# Allegro board SG2042_EVB_V1_1.brd (continued)
## Routing (per net, layer and track width the routed paths; a pad name or vN(x,y) marks a point on that pad's centre or on a via; arc(x,y) is an arc through that point) (continued)
  TOP w0.16: U1.AU55 v1(164.97,97.15)
  BOTTOM w0.089: v1(164.97,97.15) 165.35,97.52 167.07,97.52 167.13,97.59 171.17,97.59 176.22,102.63 176.22,113.55 186.56,123.89 186.56,124.21
  BOTTOM w0.16: 186.56,124.21 186.77,124.42 186.77,127.06 187.34,127.63 187.34,127.86 186.88,128.31 186.88,128.54 187.17,128.82 187.39,128.82 187.85,128.37 188.08,128.37 188.36,128.65 188.36,128.87 187.9,129.33 187.9,129.56 188.19,129.84 188.41,129.84 188.87,129.38 189.1,129.38 189.38,129.67 189.38,129.89 188.92,130.35 188.92,130.58 189.2,130.86 189.43,130.86 189.89,130.4 190.12,130.4 190.57,130.86 194.48,130.86 194.68,131.06 194.97,131.06 arc(195.23,131.01) 195.45,130.86 195.86,130.45 arc(196.12,130.27) 196.43,130.21 197.3,130.21 arc(197.6,130.27) 197.86,130.45 198.29,130.87 arc(198.5,131.01) 198.75,131.06 198.78,131.06 arc(199.03,131.01) 199.24,130.87 199.66,130.45 arc(199.92,130.27) 200.23,130.21 201.99,130.21 arc(202.25,130.26) 202.47,130.41 202.49,130.43 arc(202.71,130.58) 202.97,130.63 203.73,130.63 arc(204.07,130.56) J1.47
DDR0_ECC_DQ5: length 71.7
  TOP w0.16: U1.AU54 v1(163.97,97.15)
  BOTTOM w0.114: 186.05,124.72 186.05,123.9 175.85,113.7 175.85,102.79 171.02,97.95 167.09,97.95 166.89,97.75 164.58,97.75 v1(163.97,97.15)
  BOTTOM w0.16: 186.05,124.72 186.05,128.75 188.88,131.58 194.48,131.58 194.68,131.38 195.1,131.38 arc(195.4,131.32) 195.66,131.15 196.09,130.72 arc(196.3,130.58) 196.55,130.53 196.58,130.53 arc(196.83,130.58) 197.04,130.72 197.46,131.15 arc(197.72,131.32) 198.03,131.38 198.9,131.38 arc(199.2,131.32) 199.46,131.15 199.88,130.73 arc(200.1,130.58) 200.36,130.53 201.57,130.53 arc(201.87,130.59) 202.13,130.77 202.36,130.99 arc(202.61,131.16) 202.92,131.22 204.4,131.22 arc(204.71,131.16) 204.97,130.99 205.35,130.61 arc(205.61,130.43) 205.92,130.37 206.3,130.37 arc(206.61,130.31) 206.87,130.14 207.25,129.76 arc(207.51,129.58) 207.82,129.52 J1.192
DDR0_ECC_DQ6: length 66.2
  TOP w0.16: U1.AY56 v1(165.97,94.15)
  BOTTOM w0.114: 181.71,112.93 181.71,112.16 179.67,110.13 179.67,100.9 172.69,93.92 167.06,93.92 166.84,94.15 v1(165.97,94.15)
  BOTTOM w0.16: 181.71,112.93 182.71,113.93 182.94,113.93 183.3,113.57 183.52,113.57 183.81,113.85 183.81,114.08 183.44,114.44 183.44,114.67 183.73,114.95 183.95,114.95 184.35,114.55 184.58,114.55 184.86,114.84 184.86,115.06 184.46,115.46 184.46,115.69 184.75,115.97 184.97,115.97 185.37,115.57 185.6,115.57 185.88,115.85 185.88,116.08 185.48,116.48 185.48,116.71 185.76,116.99 185.99,116.99 186.39,116.59 186.62,116.59 186.9,116.87 186.9,117.1 186.5,117.5 186.5,117.72 193.56,124.78 194.48,124.78 194.68,124.58 195.1,124.58 arc(195.4,124.52) 195.66,124.35 196.09,123.92 arc(196.3,123.78) 196.55,123.73 196.58,123.73 arc(196.83,123.78) 197.04,123.92 197.46,124.35 arc(197.72,124.52) 198.03,124.58 198.9,124.58 arc(199.2,124.52) 199.46,124.35 199.88,123.93 arc(200.1,123.78) 200.36,123.73 201.2,123.73 arc(201.51,123.79) 201.76,123.97 202.15,124.35 arc(202.41,124.52) 202.71,124.58 205.57,124.58 arc(205.78,124.54) J1.54
DDR0_ECC_DQ7: length 68.4
  TOP w0.16: U1.BA53 v1(162.97,93.15)
  BOTTOM w0.089: 182.22,112.42 182.22,112.15 180.04,109.98 180.04,100.75 172.85,93.55 167.02,93.55 166.81,93.77 163.6,93.77 v1(162.97,93.15)
  BOTTOM w0.16: J1.199 205.92,123.57 arc(205.61,123.63) 205.35,123.81 205.13,124.03 arc(204.87,124.2) 204.56,124.26 203.52,124.26 arc(203.22,124.2) 202.96,124.03 202.58,123.65 arc(202.32,123.47) 202.01,123.41 200.23,123.41 arc(199.92,123.47) 199.66,123.65 199.24,124.07 arc(199.03,124.21) 198.78,124.26 198.75,124.26 arc(198.5,124.21) 198.29,124.07 197.86,123.65 arc(197.6,123.47) 197.3,123.41 196.43,123.41 arc(196.12,123.47) 195.86,123.65 195.44,124.07 arc(195.23,124.21) 194.98,124.26 194.68,124.26 194.48,124.06 193.86,124.06 188.56,118.77 188.56,118.54 188.96,118.14 188.96,117.92 188.68,117.63 188.45,117.63 188.05,118.03 187.83,118.03 187.54,117.75 187.54,117.52 187.94,117.12 187.94,116.9 183.89,112.84 182.64,112.84 182.22,112.42
DDR0_ECC_DQS_N: length 66.6
  TOP w0.14: U1.AW56 v1(165.97,95.15)
  BOTTOM w0.109: 168.39,95.01 168.37,95.01 168.31,94.95 166.86,94.95 166.66,94.75 165.51,94.75 165.4,94.86 165.4,95.03 165.51,95.15 v1(165.97,95.15)
  BOTTOM w0.14: 168.39,95.01 172.24,95.01 178.66,101.42 178.66,111.58 193.36,126.29 194.99,126.29 arc(195.38,126.21) 195.72,125.99 196.06,125.64 arc(196.29,125.49) 196.55,125.44 196.88,125.44 arc(197.15,125.49) 197.37,125.64 197.72,125.99 arc(198.05,126.21) 198.45,126.29 198.78,126.29 arc(199.17,126.21) 199.51,125.99 199.85,125.64 arc(200.08,125.49) 200.35,125.44 201.58,125.44 arc(201.85,125.49) 202.07,125.64 202.42,125.99 arc(202.75,126.21) 203.14,126.29 204.39,126.29 arc(204.78,126.21) 205.12,125.99 205.46,125.64 arc(205.69,125.49) 205.95,125.44 206.28,125.44 arc(206.55,125.49) 206.77,125.64 207.12,125.99 arc(207.45,126.21) 207.84,126.29 208.57,126.29 arc(208.57,126.29) 208.57,126.29 arc(208.57,126.29) 208.57,126.29 208.77,126.29 arc(208.83,126.28) 208.89,126.28 J1.196
DDR0_ECC_DQS_P: length 66.5
  TOP w0.14: U1.AW55 v1(164.97,95.15)
  BOTTOM w0.109: v1(164.97,95.15) 165.19,94.93 165.19,94.77 165.42,94.54 166.75,94.54 166.94,94.74 168.31,94.74 168.37,94.68 168.39,94.68
  BOTTOM w0.14: J1.197 208.72,125.57 arc(208.81,125.68) 208.8,125.81 208.8,125.82 arc(208.71,125.92) 208.57,125.96 207.84,125.96 arc(207.58,125.9) 207.35,125.75 207.01,125.41 arc(206.67,125.18) 206.28,125.11 205.95,125.11 arc(205.56,125.18) 205.23,125.41 204.88,125.75 arc(204.66,125.9) 204.39,125.96 203.14,125.96 arc(202.88,125.9) 202.65,125.75 202.31,125.41 arc(201.97,125.18) 201.58,125.11 200.35,125.11 arc(199.95,125.18) 199.62,125.41 199.27,125.75 arc(199.05,125.9) 198.78,125.96 198.45,125.96 arc(198.18,125.9) 197.95,125.75 197.61,125.41 arc(197.27,125.18) 196.88,125.11 196.55,125.11 arc(196.16,125.18) 195.83,125.41 195.48,125.75 arc(195.25,125.9) 194.99,125.96 193.5,125.96 178.99,111.44 178.99,101.29 172.38,94.68 168.39,94.68
DDR0_EVENT_N: length 357
  TOP w0.102: J1.78 206.47,99.43 208.66,99.43 208.87,99.64 211.28,99.64 R1.1 211.58,98.76 v1(211.56,98.73) ; R2386.2 v1(26.72,156.51)
  ART10 w0.102: v1(26.72,156.51) 26.9,156.69 26.9,173.21 40.56,186.87 40.56,209.09 v1(40.74,209.27) ; v1(211.56,98.73) 211.96,99.14 211.96,161.7 211.12,162.53 211.12,169.75 214.63,173.25 214.63,198.93 211.1,202.46 211.1,213.84 v1(210.69,214.25)
  BOTTOM w0.102: v1(40.74,209.27) 41.3,209.27 41.45,209.42 52.44,209.42 53.99,210.97 207.42,210.97 v1(210.69,214.25)
DDR0_EVENT_N_L: length 10.5
  TOP w0.102: U2010.1 v1(16.75,156.52) ; R597.2 v1(10.69,153.85)
  ART03 w0.102: v1(16.75,156.52) 17.14,156.12 17.14,154.91 16.08,153.85 v1(10.69,153.85)
DDR0_MA0: length 54.1
  TOP w0.16: U1.BD52 v1(161.97,90.15)
  ART03 w0.089: v1(161.97,90.15) 162.38,89.74 166.22,89.74 168.42,87.54 168.98,87.54
  ART03 w0.168: 168.98,87.54 180.58,87.54 189.81,96.77 190.46,96.77 190.63,96.94 190.63,97.39 190.8,97.56 191.22,97.56 191.38,97.39 191.38,96.94 191.55,96.77 191.97,96.77 192.14,96.94 192.14,97.85 192.3,98.02 192.72,98.02 192.89,97.85 192.89,96.94 193.06,96.77 193.48,96.77 193.65,96.94 193.65,98.75 193.81,98.92 194.99,98.92 arc(195.31,98.86) 195.58,98.68 195.94,98.32 arc(196.21,98.14) 196.54,98.07 196.89,98.07 arc(197.21,98.01) 197.48,97.83 197.84,97.47 arc(198.11,97.29) 198.44,97.22 198.79,97.22 arc(199.11,97.29) 199.38,97.47 199.74,97.83 arc(200.01,98.01) 200.33,98.07 J1.79
DDR0_MA1: length 55.5
  TOP w0.16: U1.BC51 v1(160.97,91.15)
  ART03 w0.089: v1(160.97,91.15) 161.47,91.65 161.47,92.36 161.66,92.55 167.07,92.55 168.92,90.7 168.98,90.7
  ART03 w0.168: J1.72 203.62,109.12 arc(203.3,109.06) 203.03,108.88 200.97,106.82 arc(200.7,106.64) 200.38,106.57 200.34,106.57 arc(200.01,106.51) 199.74,106.33 199.38,105.97 arc(199.11,105.79) 198.79,105.72 198.43,105.72 arc(198.11,105.66) 197.84,105.48 197.48,105.12 arc(197.21,104.94) 196.89,104.87 196.54,104.87 arc(196.21,104.94) 195.94,105.12 195.58,105.48 arc(195.31,105.66) 194.99,105.72 194.29,105.72 184.55,95.98 183.2,95.98 177.92,90.7 168.98,90.7
DDR0_MA2: length 61.5
  TOP w0.16: U1.BE52 v1(161.97,89.15)
  BOTTOM w0.089: 177.85,89.88 177.73,89.76 166.91,89.76 166.15,90.52 161.74,90.52 161.47,90.25 U1.BE52 v1(161.97,89.15)
  BOTTOM w0.16: J1.216 207.82,109.12 arc(207.51,109.06) 207.25,108.89 206.87,108.51 arc(206.61,108.33) 206.3,108.27 205.92,108.27 arc(205.61,108.33) 205.35,108.51 205,108.86 arc(204.74,109.03) 204.43,109.09 203.09,109.09 arc(202.78,109.03) 202.52,108.86 202.17,108.51 arc(201.91,108.33) 201.61,108.27 200.32,108.27 arc(200.01,108.21) 199.75,108.04 199.37,107.66 arc(199.11,107.48) 198.81,107.42 198.42,107.42 arc(198.11,107.48) 197.85,107.66 197.47,108.04 arc(197.21,108.21) 196.91,108.27 196.52,108.27 arc(196.21,108.21) 195.95,108.04 195.57,107.66 arc(195.31,107.48) 195.01,107.42 194.43,107.42 192.78,105.77 192.78,102.7 187.95,97.87 185.85,97.87 177.85,89.88
DDR0_MA3: length 55.6
  TOP w0.16: U1.BD51 v1(160.97,90.15)
  BOTTOM w0.089: 177.3,90.23 177.18,90.11 166.99,90.11 166.33,90.77 161.6,90.77 v1(160.97,90.15)
  BOTTOM w0.16: 177.3,90.23 185.58,98.51 187.69,98.51 192.14,102.97 192.14,106.83 194.43,109.12 195.01,109.12 arc(195.31,109.18) 195.57,109.36 195.95,109.74 arc(196.21,109.91) 196.52,109.97 196.91,109.97 arc(197.21,109.91) 197.47,109.74 197.85,109.36 arc(198.11,109.18) 198.42,109.12 198.81,109.12 arc(199.11,109.18) 199.37,109.36 199.75,109.74 arc(200.01,109.91) 200.32,109.97 J1.71
DDR0_MA4: length 59.9
  TOP w0.16: U1.BA51 v1(160.97,93.15)
  ART03 w0.089: 168.98,91.2 168.69,91.2 167.14,92.74 161.38,92.74 v1(160.97,93.15)
  ART03 w0.168: 168.98,91.2 177.71,91.2 182.99,96.48 184.34,96.48 191.2,103.34 191.2,104.24 194.38,107.42 195.03,107.42 arc(195.35,107.36) 195.62,107.18 195.98,106.82 arc(196.25,106.64) 196.57,106.57 196.89,106.57 arc(197.21,106.64) 197.48,106.82 197.84,107.18 arc(198.11,107.36) 198.43,107.42 198.79,107.42 arc(199.11,107.49) 199.38,107.67 199.74,108.03 arc(200.01,108.21) 200.33,108.27 201.09,108.27 arc(201.41,108.34) 201.68,108.52 203.74,110.58 arc(204.01,110.76) 204.33,110.82 204.39,110.82 arc(204.71,110.76) 204.98,110.58 205.34,110.22 arc(205.61,110.04) 205.93,109.97 206.29,109.97 arc(206.61,110.04) 206.88,110.22 207.24,110.58 arc(207.51,110.76) 207.83,110.82 J1.214
DDR0_MA5: length 60.2
  TOP w0.16: U1.AY50 v1(159.97,94.15)
  ART03 w0.089: v1(159.97,94.15) 160.57,93.55 167.04,93.55 168.89,91.7 168.98,91.7
  ART03 w0.168: J1.213 205.93,111.67 arc(205.61,111.74) 205.34,111.92 205.14,112.12 arc(204.87,112.3) 204.54,112.37 203.84,112.37 arc(203.52,112.3) 203.25,112.12 201.35,110.22 arc(201.08,110.04) 200.76,109.97 200.33,109.97 arc(200.01,109.91) 199.74,109.73 199.38,109.37 arc(199.11,109.19) 198.79,109.12 198.43,109.12 arc(198.11,109.06) 197.84,108.88 197.48,108.52 arc(197.21,108.34) 196.89,108.27 196.53,108.27 arc(196.21,108.34) 195.94,108.52 195.58,108.88 arc(195.31,109.06) 194.99,109.12 194.38,109.12 190.69,105.44 190.69,103.59 184.08,96.98 182.79,96.98 177.51,91.7 168.98,91.7
DDR0_MA6: length 52.9
  TOP w0.16: v1(166.97,91.15) 166.47,91.65 U1.BC56
  BOTTOM w0.089: v1(166.97,91.15) 167.3,90.82 176.09,90.82 176.2,90.94
  BOTTOM w0.16: 176.2,90.94 185.05,99.79 187.16,99.79 190.86,103.5 190.86,108.95 194.43,112.52 195.01,112.52 arc(195.31,112.58) 195.57,112.76 195.95,113.14 arc(196.21,113.31) 196.52,113.37 196.91,113.37 arc(197.21,113.31) 197.47,113.14 197.85,112.76 arc(198.11,112.58) 198.42,112.52 198.81,112.52 arc(199.11,112.58) 199.37,112.76 199.75,113.14 arc(200.01,113.31) 200.32,113.37 201.61,113.37 arc(201.91,113.31) 202.17,113.14 203.4,111.91 arc(203.66,111.73) 203.97,111.67 J1.69
DDR0_MA7: length 59.5
  TOP w0.16: U1.AY51 v1(160.97,94.15)
  ART03 w0.089: 168.98,92.21 168.65,92.21 167.12,93.74 161.38,93.74 v1(160.97,94.15)
  ART03 w0.168: J1.211 205.93,113.37 arc(205.61,113.31) 205.34,113.13 205.14,112.92 arc(204.87,112.74) 204.55,112.68 203.13,112.68 arc(202.81,112.61) 202.54,112.43 202.03,111.92 arc(201.75,111.74) 201.43,111.67 200.33,111.67 arc(200.01,111.61) 199.74,111.43 199.38,111.07 arc(199.11,110.89) 198.79,110.82 198.43,110.82 arc(198.11,110.76) 197.84,110.58 197.48,110.22 arc(197.21,110.04) 196.89,109.97 196.54,109.97 arc(196.21,110.04) 195.94,110.22 195.58,110.58 arc(195.31,110.76) 194.99,110.82 194.38,110.82 190.19,106.63 190.19,103.8 183.87,97.49 182.58,97.49 177.3,92.21 168.98,92.21
DDR0_MA8: length 60.5
  TOP w0.16: U1.BC50 v1(159.97,91.15)
  BOTTOM w0.089: 176.75,90.59 176.64,90.47 167.04,90.47 166.37,91.14 165.56,91.14 165.17,91.52 160.35,91.52 v1(159.97,91.15)
  BOTTOM w0.16: 176.75,90.59 185.32,99.15 187.42,99.15 191.5,103.23 191.5,107.89 194.43,110.82 195.01,110.82 arc(195.31,110.88) 195.57,111.06 195.95,111.44 arc(196.21,111.61) 196.52,111.67 196.91,111.67 arc(197.21,111.61) 197.47,111.44 197.85,111.06 arc(198.11,110.88) 198.42,110.82 198.81,110.82 arc(199.11,110.88) 199.37,111.06 199.75,111.44 arc(200.01,111.61) 200.32,111.67 202.53,111.67 arc(202.83,111.61) 203.09,111.44 203.47,111.06 arc(203.73,110.88) 204.04,110.82 204.4,110.82 arc(204.71,110.88) 204.97,111.06 205.68,111.77 arc(205.89,112.08) 205.96,112.44 J1.68
DDR0_MA9: length 59.2
  TOP w0.16: U1.AW50 v1(159.97,95.15)
  ART03 w0.089: 168.98,92.71 168.86,92.71 167.01,94.55 160.57,94.55 v1(159.97,95.15)
  ART03 w0.168: 168.98,92.71 177.09,92.71 182.37,97.99 183.67,97.99 189.69,104.01 189.69,107.83 194.38,112.52 194.99,112.52 arc(195.31,112.46) 195.58,112.28 195.94,111.92 arc(196.21,111.74) 196.53,111.67 196.89,111.67 arc(197.21,111.74) 197.48,111.92 197.84,112.28 arc(198.11,112.46) 198.43,112.52 198.79,112.52 arc(199.11,112.59) 199.38,112.77 199.74,113.13 arc(200.01,113.31) 200.33,113.37 201.59,113.37 arc(201.91,113.44) 202.18,113.62 202.38,113.82 arc(202.66,114) 202.98,114.07 205.58,114.07 arc(205.79,114.11) J1.66
DDR0_MA10: length 55
  TOP w0.16: U1.BE50 v1(159.97,89.15)
  ART03 w0.089: v1(159.97,89.15) 160.38,89.55 166.14,89.55 168.65,87.04 168.98,87.04
  ART03 w0.168: 168.98,87.04 180.79,87.04 189.27,95.52 194.99,95.52 arc(195.31,95.59) 195.58,95.77 195.94,96.13 arc(196.21,96.31) 196.53,96.37 196.89,96.37 arc(197.21,96.31) 197.48,96.13 197.84,95.77 arc(198.11,95.59) 198.43,95.52 198.78,95.52 arc(199.1,95.59) 199.37,95.77 199.75,96.15 arc(200.03,96.33) 200.35,96.39 201.57,96.39 arc(201.89,96.33) 202.16,96.15 202.56,95.75 arc(202.83,95.57) 203.15,95.5 204.37,95.5 arc(204.69,95.57) 204.96,95.75 205.34,96.13 arc(205.61,96.31) 205.93,96.37 J1.225
DDR0_MA11: length 62.4
  TOP w0.16: U1.AW52 v1(161.97,95.15)
  ART03 w0.089: 168.98,93.21 168.62,93.21 167.09,94.74 162.38,94.74 v1(161.97,95.15)
  ART03 w0.168: J1.210 207.83,114.22 arc(207.51,114.29) 207.24,114.47 206.88,114.83 arc(206.61,115.01) 206.29,115.07 205.93,115.07 arc(205.61,115.01) 205.34,114.83 205.14,114.62 arc(204.87,114.44) 204.55,114.38 202.98,114.38 arc(202.66,114.44) 202.38,114.62 202.18,114.83 arc(201.91,115.01) 201.59,115.07 200.33,115.07 arc(200.01,115.01) 199.74,114.83 199.38,114.47 arc(199.11,114.29) 198.79,114.22 198.43,114.22 arc(198.11,114.16) 197.84,113.98 197.48,113.62 arc(197.21,113.44) 196.89,113.37 196.54,113.37 arc(196.21,113.44) 195.94,113.62 195.58,113.98 arc(195.31,114.16) 194.99,114.22 194.38,114.22 189.18,109.03 189.18,104.22 183.46,98.49 182.16,98.49 176.88,93.21 168.98,93.21
DDR0_MA12: length 59.6
  TOP w0.16: U1.BB50 v1(159.97,92.15)
  BOTTOM w0.089: 175.65,91.3 175.54,91.18 167.49,91.18 167.13,91.55 165.58,91.55 165.35,91.77 160.35,91.77 v1(159.97,92.15)
  BOTTOM w0.16: J1.65 200.32,115.07 arc(200.01,115.01) 199.75,114.84 199.37,114.46 arc(199.11,114.28) 198.81,114.22 198.42,114.22 arc(198.11,114.28) 197.85,114.46 197.47,114.84 arc(197.21,115.01) 196.91,115.07 196.52,115.07 arc(196.21,115.01) 195.95,114.84 195.57,114.46 arc(195.31,114.28) 195.01,114.22 194.43,114.22 190.22,110.01 190.22,103.76 186.89,100.43 184.79,100.43 175.65,91.3
DDR0_MA13: length 56.3
  TOP w0.16: U1.BG51 v1(160.97,87.15)
  ART03 w0.089: 168.98,86.03 168.75,86.03 167.67,87.11 167.67,87.29 166.22,88.74 160.85,88.74 160.45,88.34 160.45,87.67 v1(160.97,87.15)
  ART03 w0.168: J1.232 207.83,90.42 arc(207.51,90.49) 207.24,90.67 206.88,91.03 arc(206.61,91.21) 206.29,91.27 205.93,91.27 arc(205.61,91.21) 205.34,91.03 204.98,90.67 arc(204.71,90.49) 204.39,90.42 203.13,90.42 arc(202.81,90.49) 202.54,90.67 202.18,91.03 arc(201.91,91.21) 201.59,91.27 200.33,91.27 arc(200.01,91.21) 199.74,91.03 199.38,90.67 arc(199.11,90.49) 198.79,90.42 198.44,90.42 arc(198.11,90.49) 197.84,90.67 197.48,91.03 arc(197.21,91.21) 196.89,91.27 196.53,91.27 arc(196.21,91.21) 195.94,91.03 195.58,90.67 arc(195.31,90.49) 194.99,90.42 185.59,90.42 181.2,86.03 168.98,86.03
DDR0_MA14: length 50.3
  TOP w0.16: U1.BE56 v1(165.97,89.15)
  ART03 w0.089: v1(165.97,89.15) 166.2,89.15 168.81,86.54 168.98,86.54
  ART03 w0.168: J1.228 207.83,93.82 arc(207.51,93.89) 207.24,94.07 206.88,94.43 arc(206.61,94.61) 206.29,94.67 205.93,94.67 arc(205.61,94.61) 205.34,94.43 204.98,94.07 arc(204.71,93.89) 204.39,93.82 203.13,93.82 arc(202.81,93.89) 202.54,94.07 202.18,94.43 arc(201.91,94.61) 201.59,94.67 200.33,94.67 arc(200.01,94.61) 199.74,94.43 199.38,94.07 arc(199.11,93.89) 198.79,93.82 198.44,93.82 arc(198.11,93.89) 197.84,94.07 197.48,94.43 arc(197.21,94.61) 196.89,94.67 196.53,94.67 arc(196.21,94.61) 195.94,94.43 195.58,94.07 arc(195.31,93.89) 194.99,93.82 188.28,93.82 180.99,86.54 168.98,86.54
DDR0_MA15: length 47.9
  TOP w0.16: U1.BF54 v1(163.97,88.15)
  BOTTOM w0.089: v1(163.97,88.15) 164.36,87.76 166.29,87.76 166.43,87.62 181.03,87.62 181.15,87.74
  BOTTOM w0.16: J1.86 203.12,92.12 arc(202.81,92.06) 202.55,91.89 202.33,91.67 arc(202.07,91.49) 201.77,91.43 200.36,91.43 arc(200.1,91.48) 199.88,91.63 199.46,92.05 arc(199.2,92.22) 198.9,92.28 198.03,92.28 arc(197.72,92.22) 197.46,92.05 197.04,91.62 arc(196.83,91.48) 196.58,91.43 196.55,91.43 arc(196.3,91.48) 196.09,91.62 195.66,92.05 arc(195.4,92.22) 195.1,92.28 194.68,92.28 194.48,92.48 193.65,92.48 193.49,92.64 193.49,92.96 193.33,93.12 192.93,93.12 192.77,92.96 192.77,92.64 192.61,92.48 192.21,92.48 192.05,92.64 192.05,92.96 191.89,93.12 191.49,93.12 191.33,92.96 191.33,92.64 191.17,92.48 185.89,92.48 181.15,87.74
DDR0_MA16: length 49
  TOP w0.16: U1.BE53 v1(162.97,89.15)
  BOTTOM w0.089: 180.05,88.45 179.93,88.33 166.5,88.33 166.32,88.52 163.6,88.52 v1(162.97,89.15)
  BOTTOM w0.16: 180.05,88.45 186.91,95.31 193.03,95.31 193.19,95.15 193.19,94.93 193.34,94.77 193.75,94.77 193.91,94.93 193.91,95.36 194.07,95.52 195.01,95.52 arc(195.31,95.46) 195.57,95.29 195.95,94.91 arc(196.21,94.73) 196.52,94.67 196.91,94.67 arc(197.21,94.73) 197.47,94.91 197.85,95.29 arc(198.11,95.46) 198.42,95.52 198.81,95.52 arc(199.11,95.46) 199.37,95.29 199.75,94.91 arc(200.01,94.73) 200.32,94.67 201.61,94.67 arc(201.91,94.73) 202.17,94.91 202.55,95.29 arc(202.81,95.46) 203.12,95.52 J1.82
DDR0_MA17: length 55.7
  TOP w0.16: U1.BF50 v1(159.97,88.15)
  BOTTOM w0.114: 182.78,86.65 182.67,86.54 160.85,86.54 160.47,86.92 160.47,87.65 v1(159.97,88.15)
  BOTTOM w0.16: 182.78,86.65 185.74,89.61 186.31,89.61 186.47,89.45 186.47,89.19 186.63,89.03 187.03,89.03 187.19,89.19 187.19,89.45 187.35,89.61 193.52,89.61 194.41,88.72 195.01,88.72 arc(195.31,88.66) 195.57,88.49 195.95,88.11 arc(196.21,87.93) 196.52,87.87 196.91,87.87 arc(197.21,87.93) 197.47,88.11 197.85,88.49 arc(198.11,88.66) 198.42,88.72 198.81,88.72 arc(199.11,88.66) 199.37,88.49 199.75,88.11 arc(200.01,87.93) 200.32,87.87 201.61,87.87 arc(201.91,87.93) 202.17,88.11 202.55,88.49 arc(202.81,88.66) 203.12,88.72 204.4,88.72 arc(204.71,88.66) 204.97,88.49 205.35,88.11 arc(205.61,87.93) 205.92,87.87 206.3,87.87 arc(206.61,87.93) 206.87,88.11 207.25,88.49 arc(207.51,88.66) 207.82,88.72 J1.234
DDR0_ODT0: length 46.7
  TOP w0.16: U1.BG54 v1(163.97,87.15)
  BOTTOM w0.089: 181.7,87.39 181.58,87.27 166.4,87.27 166.15,87.52 164.35,87.52 v1(163.97,87.15)
  BOTTOM w0.16: 181.7,87.39 186.08,91.76 190.84,91.76 191,91.6 191,91.12 191.16,90.96 191.56,90.96 191.72,91.12 191.72,91.6 191.88,91.76 192.28,91.76 192.44,91.6 192.44,91.12 192.6,90.96 193,90.96 193.16,91.12 193.16,91.6 193.32,91.76 194.48,91.76 194.68,91.96 194.98,91.96 arc(195.23,91.91) 195.44,91.77 195.86,91.35 arc(196.12,91.17) 196.43,91.11 197.3,91.11 arc(197.6,91.17) 197.86,91.35 198.29,91.77 arc(198.5,91.91) 198.75,91.96 198.78,91.96 arc(199.03,91.91) 199.24,91.77 199.66,91.35 arc(199.92,91.17) 200.23,91.11 203.97,91.11 arc(204.18,91.15) 204.36,91.27 J1.87
DDR0_ODT1: length 47.5
  TOP w0.16: U1.BF53 v1(162.97,88.15)
  ART03 w0.089: v1(162.97,88.15) 163.38,88.55 166.14,88.55 167.48,87.21 167.48,87.03 168.98,85.53
  ART03 w0.168: J1.91 202.91,89.33 arc(202.63,89.51) 202.31,89.57 200.33,89.57 arc(200.01,89.51) 199.74,89.33 199.38,88.97 arc(199.11,88.79) 198.79,88.72 198.43,88.72 arc(198.11,88.79) 197.84,88.97 197.48,89.33 arc(197.21,89.51) 196.89,89.57 196.53,89.57 arc(196.21,89.51) 195.94,89.33 195.58,88.97 arc(195.31,88.79) 194.99,88.72 193.44,88.72 193.28,88.89 193.28,89.29 193.11,89.46 192.69,89.46 192.52,89.29 192.52,88.89 192.35,88.72 184.6,88.72 181.41,85.53 168.98,85.53
DDR0_PAR: length 52.3
  TOP w0.16: U1.BD55 v1(164.97,90.15)
  BOTTOM w0.089: 178.4,89.52 178.28,89.4 166.76,89.4 166.39,89.77 165.35,89.77 v1(164.97,90.15)
  BOTTOM w0.16: J1.222 209.23,99.45 arc(208.97,99.63) 208.66,99.69 194.37,99.69 194.21,99.85 194.21,100.2 194.05,100.36 193.65,100.36 193.49,100.2 193.49,99.85 193.33,99.69 192.93,99.69 192.77,99.85 192.77,100.2 192.61,100.36 192.21,100.36 192.05,100.2 192.05,99.85 191.89,99.69 190.67,99.69 188.22,97.23 186.11,97.23 178.4,89.52
DDR0_PLL_TESTOUT_N: length 1.4
  TOP w0.16: U1.BA48 v1(157.97,93.15)
  BOTTOM w0.109: T14.1 v1(157.97,93.15)
DDR0_PLL_TESTOUT_P: length 1.4
  TOP w0.16: U1.AY48 v1(157.97,94.15)
  BOTTOM w0.109: T13.1 v1(157.97,94.15)
DDR0_RESET_N: length 68.7
  TOP w0.16: U1.BA52 v1(161.97,93.15) ; J1.58 206.12,120.86 208.29,120.86 arc(208.6,120.92) 208.86,121.1 209.29,121.52 arc(209.5,121.66) 209.74,121.71 210.04,121.71 210.13,121.62 T9.1
  BOTTOM w0.114: v1(161.97,93.15) 162.36,92.76 166.4,92.76 166.9,92.26 173.9,92.26 174.01,92.36
  BOTTOM w0.16: 174.01,92.36 183.99,102.35 186.1,102.35 188.3,104.56 188.3,113.19 194.43,119.32 195.01,119.32 arc(195.31,119.38) 195.57,119.56 195.95,119.94 arc(196.21,120.11) 196.52,120.17 196.91,120.17 arc(197.21,120.11) 197.47,119.94 197.85,119.56 arc(198.11,119.38) 198.42,119.32 198.81,119.32 arc(199.11,119.38) 199.37,119.56 199.75,119.94 arc(200.01,120.11) 200.32,120.17 201.61,120.17 arc(201.91,120.23) 202.17,120.41 202.55,120.79 arc(202.81,120.96) 203.12,121.02 J1.58
DDR0_VDDPLL: length 1
  BOTTOM w0.381: FB14.1 151.37,103.65 C1450.1
  vias: v1(150.47,103.65)
DDR0_VDDQCK: length 1
  BOTTOM w0.381: FB13.1 151.38,104.65 v1(150.47,104.65)
DDR1_ACT_N: length 52.8
  TOP w0.16: U1.H55 164.97,127.15 166.17,127.15 166.33,126.99 166.33,126.94 166.71,126.57 177.43,126.57 186.37,117.62 186.99,117.62 187.15,117.78 187.15,119.35 187.31,119.51 187.71,119.51 187.87,119.35 187.87,117.78 188.03,117.62 188.43,117.62 188.59,117.78 188.59,119.35 188.75,119.51 189.15,119.51 189.31,119.35 189.31,117.78 189.47,117.62 189.87,117.62 190.03,117.78 190.03,119.35 190.19,119.51 190.59,119.51 190.75,119.35 190.75,117.78 190.91,117.62 191.31,117.62 191.47,117.78 191.47,119.35 191.63,119.51 192.03,119.51 192.19,119.35 192.19,117.78 192.35,117.62 192.75,117.62 192.91,117.78 192.91,119.14 193.07,119.3 193.47,119.3 193.63,119.14 193.63,117.78 193.79,117.62 J2.62
DDR1_ALERT_N: length 42.8
  TOP w0.16: U1.J55 164.97,125.15 166.57,125.15 166.71,125.29 175.32,125.29 185.05,115.56 194.48,115.56 194.68,115.76 195.17,115.76 arc(195.47,115.7) 195.73,115.53 195.94,115.32 arc(196.2,115.15) 196.5,115.09 196.92,115.09 arc(197.23,115.15) 197.49,115.32 197.85,115.69 arc(198.11,115.86) 198.42,115.92 J2.208 202.36,115.92 R2242.1
DDR1_ATB0: length 1.4
  TOP w0.16: U1.R48 v1(157.97,120.15)
  BOTTOM w0.102: T17.1 v1(157.97,120.15)
DDR1_ATB1: length 1.4
  TOP w0.16: U1.P48 v1(157.97,121.15)
  BOTTOM w0.102: T18.1 v1(157.97,121.15)
DDR1_BA0: length 52.4
  TOP w0.16: U1.L53 v1(162.97,124.15)
  ART10 w0.089: 167.98,126.02 165.73,123.77 163.35,123.77 v1(162.97,124.15)
  ART10 w0.168: 167.98,126.02 175.53,126.02 189.89,111.66 189.89,109.38 190.51,108.76 190.51,100.27 194.41,96.37 J2.81
DDR1_BA1: length 59
  TOP w0.16: U1.L52 v1(161.97,124.15)
  ART10 w0.089: v1(161.97,124.15) 162.38,124.55 165.8,124.55 167.77,126.52 167.98,126.52
  ART10 w0.168: J2.224 198.44,97.22 arc(198.11,97.29) 197.84,97.47 197.48,97.83 arc(197.21,98.01) 196.89,98.07 196.53,98.07 arc(196.21,98.01) 195.94,97.83 195.58,97.47 arc(195.31,97.29) 194.99,97.22 194.4,97.22 191.01,100.61 191.01,108.97 190.39,109.58 190.39,111.87 175.74,126.52 167.98,126.52
DDR1_BG0: length 51.7
  TOP w0.16: U1.J54 v1(163.97,126.15)
  ART05 w0.168: J2.63 193.9,116.77 193.73,116.94 193.73,118.15 193.57,118.31 193.15,118.31 192.98,118.15 192.98,116.94 192.81,116.77 192.39,116.77 192.22,116.94 192.22,118.15 192.06,118.31 191.64,118.31 191.47,118.15 191.47,116.94 191.3,116.77 190.88,116.77 190.72,116.94 190.72,118.15 190.55,118.31 190.13,118.31 189.96,118.15 189.96,116.94 189.79,116.77 189.38,116.77 189.21,116.94 189.21,118.15 189.04,118.31 188.62,118.31 188.45,118.15 188.45,116.94 188.29,116.77 187.87,116.77 187.7,116.94 187.7,118.15 187.53,118.31 187.11,118.31 186.94,118.15 186.94,116.94 186.78,116.77 186.36,116.77 186.19,116.94 186.19,118.15 186.02,118.31 185.6,118.31 185.44,118.15 185.44,116.94 185.27,116.77 184.69,116.77 175.31,126.15 v1(163.97,126.15)
